# Allegro board WeChat_ZM_PART_20200601.brd (continued)
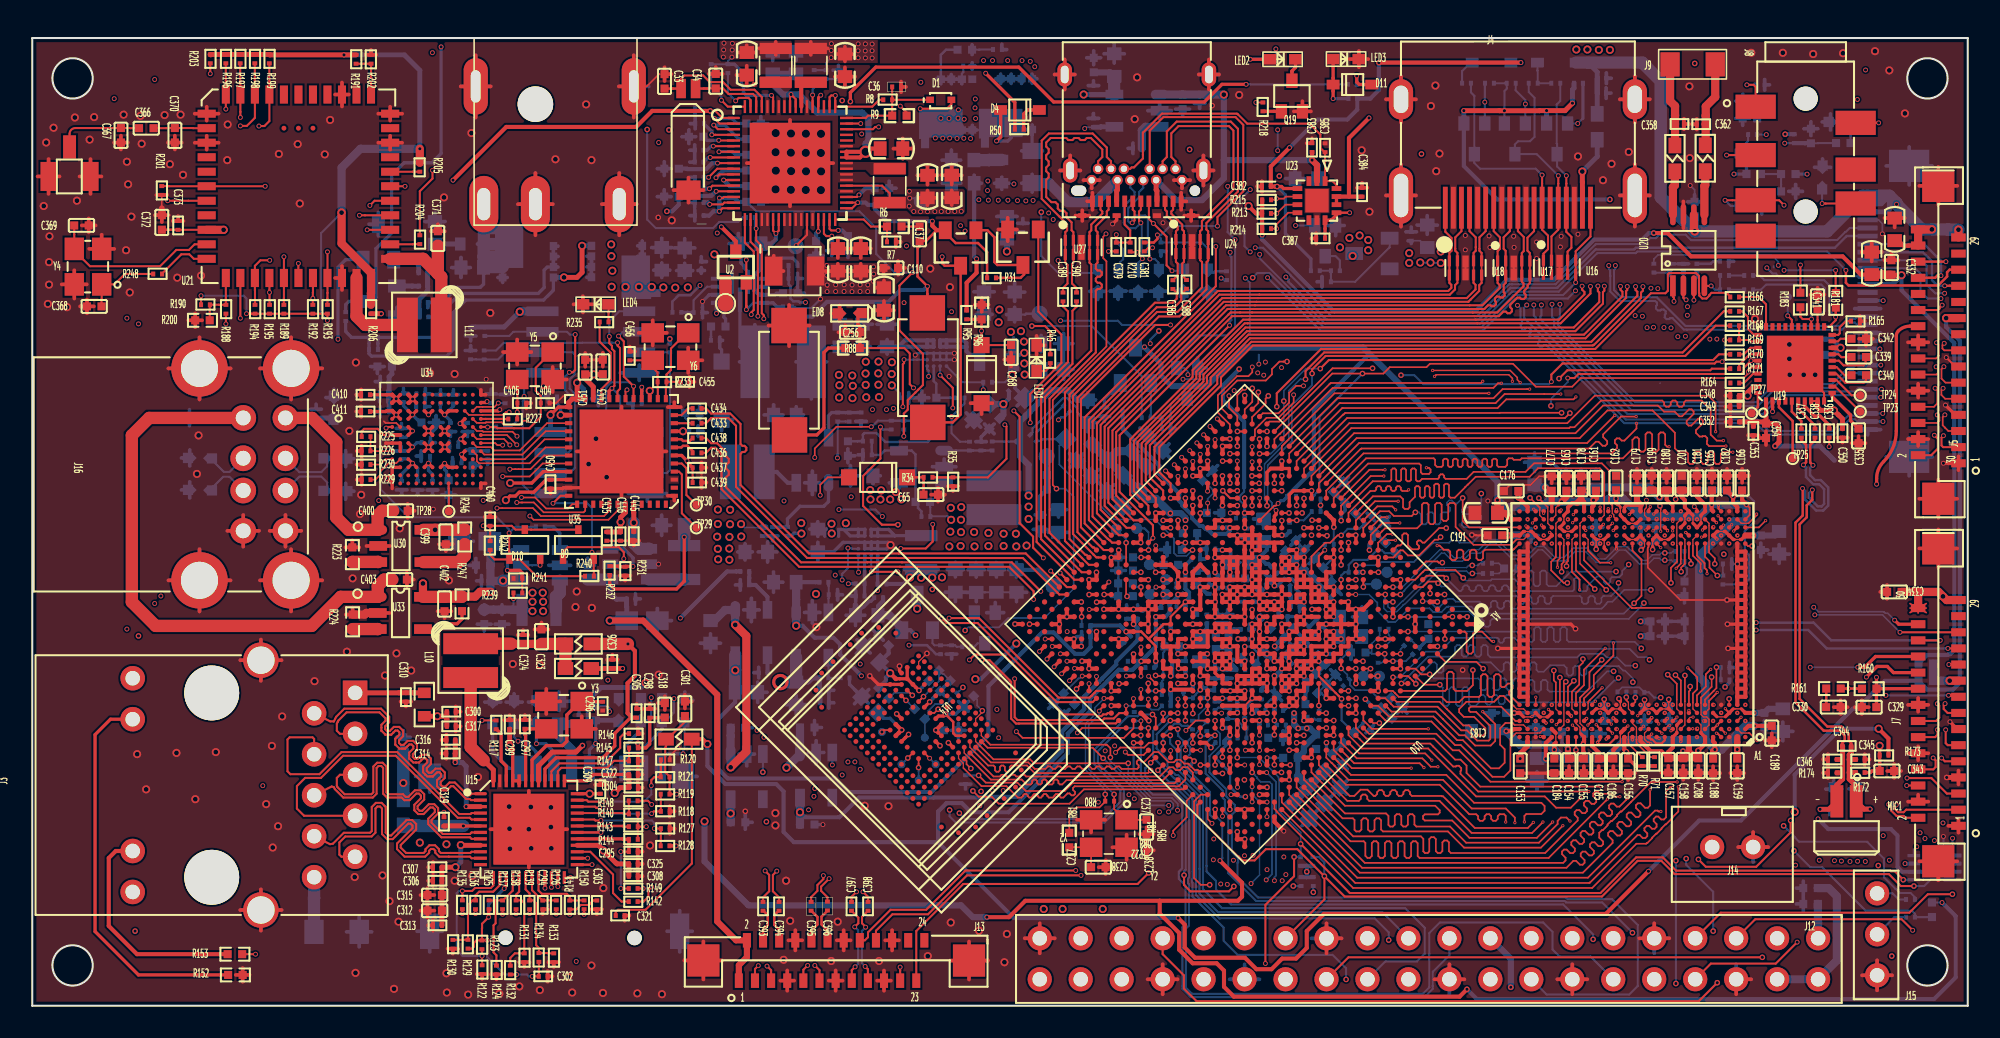
[diagram p0: board, top side]
## Placement (name value [footprint] x y rotation side) (continued)
J14  fan  [XH_2_54_2P]  104.15 9.84 0 top
J15  HEADER 3  [CON_2_54_3P]  114.38 1.89 90 top
J16  USB_HOST  [UB1112C-8FDH-4F]  13.08 32.95 270 top
L1  1uH  [IND_323015]  47.27 45.55 180 top
L2  1uH  [IND_252010]  53.16 50.85 90 top
L3  1uH  [IND_252010]  46.09 58.31 90 top
L4  1uH  [IND_252010]  48.27 58.31 90 top
L5  0.24uH  [IND_252012]  55.12 28.09 270 bottom
L6  2.2uH  [IND_303015]  44.34 33.1 90 bottom
L7  2.2uH  [IND_303015]  59.63 31.5 180 bottom
L8  0.24uH  [IND_252012]  59.79 40.36 0 bottom
L9  PCMB051H-2R2MS/6A  [IND_505040]  46.55 39.92 0 bottom
L10  2.2uH  [IND_303015]  27.18 21.4 180 top
L11  3.3uH  [IND_303012]  24.31 42.21 270 top
L12  4.7uH  [IND_IND2520]  40.42 27.48 90 bottom
L13  4.7uH  [IND_IND2520]  31.42 24.55 180 bottom
LED1  LED_GREEN  [LED0603]  62.27 39.35 90 top
LED2  LED_GREEN  [LED0603]  76.72 58.68 0 top
LED3  LED_RED  [LED0603]  80.65 58.69 0 top
LED4  LED_GREEN  [LED0603]  35.74 43.49 180 top
MIC1  MIC-4020  [MIC-SMT2-4020]  112.49 12.47 180 top
Q1  WPM2341-3/TR  [SOT_23]  57.56 46.98 180 top
Q2  S8050  [SOT_23]  61.42 47.03 180 top
Q3  RQ3E120AT  [HSMT8_3R30X3R30X0R90]  30.74 46.13 180 bottom
Q4  RQ3E120AT  [HSMT8_3R30X3R30X0R90]  36.25 46.14 0 bottom
Q5  MMBT3904  [SOT_23]  21.51 43.67 270 bottom
Q6  MMBT3904  [SOT_23]  21.46 47.36 180 bottom
Q7  RQ3E120AT  [HSMT8_3R30X3R30X0R90]  61.02 55.9 270 bottom
Q8  RQ3E120AT  [HSMT8_3R30X3R30X0R90]  57.31 55.87 270 bottom
Q9  WNM2016-3/TR  [SOT_23]  83.06 46.64 270 bottom
Q10  WNM2016-3/TR  [SOT_23]  54.86 24.39 180 bottom
Q11  WNM2016-3/TR  [SOT_23]  68.4 39.71 180 bottom
Q12  WNM2021-3/TR  [SOT_323]  80.16 47.43 0 bottom
Q13  WNM2021-3/TR  [SOT_323]  59.05 23.42 0 bottom
Q14  WNM2021-3/TR  [SOT_323]  71.6 38.59 0 bottom
Q15  WNM2021-3/TR  [SOT_323]  91.92 53.75 0 bottom
Q16  WNM2021-3/TR  [SOT_323]  89.41 53.75 0 bottom
Q17  WNM2021-3/TR  [SOT_323]  94.54 53.75 0 bottom
Q19  WNM2021-3/TR  [SOT_323]  78.1 56.4 0 top
R1  200K  [R0201]  49.98 57.45 90 bottom
R2  51K  [R0201]  48.48 57.46 90 bottom
R3  10K  [R0201]  44.24 48.87 0 bottom
R4  10K  [R0201]  42.09 57.83 90 bottom
R5  10K  [R0201]  43.13 57.83 90 bottom
R6  100R  [R0402]  53.45 48.31 0 top
R7  300K  [R0201]  53.54 47.36 180 top
R8  10K  [R0201]  53.31 56.17 180 top
R9  100R  [R0402]  53.76 55.19 180 top
R10  10K  [R0201]  51.05 26.17 0 bottom
R11  100K  [R0201]  50.65 36.23 90 bottom
R12  39K  [R0201]  46.82 29.13 90 bottom
R13  100R  [R0201]  52.41 26.15 0 bottom
R14  200K  [R0201]  51.38 36.78 270 bottom
R15  10K  [R0201]  48.81 26.26 0 bottom
R16  10K  [R0201]  48.8 20.33 0 bottom
R17  100K  [R0201]  49.38 25.48 0 bottom
R18  DNP  [R0201]  59.51 34.98 270 bottom
R19  100R  [R0402]  62.9 32.45 270 bottom
R20  82K  [R0201]  50.12 20.34 0 bottom
R21  62K  [R0201]  58.11 34.97 270 bottom
R22  82K  [R0201]  55.68 30.33 180 bottom
R23  20K  [R0201]  54.82 36.28 270 bottom
R24  180K  [R0201]  51.5 35.01 0 bottom
R25  DNP  [R0201]  53.26 36.28 270 bottom
R26  30K  [R0201]  54.04 36.28 270 bottom
R27  10K  [R0201]  55.63 35.71 90 bottom
R28  100K  [R0201]  52.05 34.15 180 bottom
R29  47K  [R0201]  43.9 26.93 0 bottom
R30  120K  [R0201]  44.45 26.09 180 bottom
R31  100K  [R0201]  59.2 45.13 0 top
R32  10K  [R0201]  57.8 37.69 180 bottom
R33  100R  [R0201]  58.96 38.66 0 bottom
R34  10K  [R0201]  55.26 32.76 0 top
R35  47K  [R0201]  57.08 32.21 90 top
R36  3.3R  [R0402]  42.54 42.11 180 bottom
R37  2R  [R0603]  27.26 47.23 180 bottom
R38  10K  [R0201]  24.56 42.71 180 bottom
R39  10K  [R0201]  21.43 40.68 180 bottom
R40  2K  [R0201]  23.98 43.61 0 bottom
R41  10K  [R0201]  39.69 42.99 0 bottom
R42  1K  [R0201]  19.43 42.46 90 bottom
R43  47K  [R0201]  24.52 44.62 180 bottom
R44  100K  [R0201]  47.44 45.9 180 bottom
R45  5.1K  [R0201]  63.12 40.39 270 top
R46  47K  [R0201]  23.96 45.44 0 bottom
R47  0R  [R0805]  61.99 52 90 bottom
R48  2R  [R0603]  60.11 51.72 90 bottom
R49  NC  [R0201]  57.73 58.26 0 bottom
R50  5.1K  [R0201]  61.47 54.34 180 top
R51  10K  [R0201]  59.57 59.29 0 bottom
R52  100K  [R0201]  79.27 45.57 0 bottom
R53  1K  [R0201]  80.52 45.57 0 bottom
R54  100K  [R0201]  56.31 21.8 90 bottom
R55  100K  [R0201]  68.78 36.45 0 bottom
R56  1K  [R0201]  57.66 22.26 0 bottom
R57  1K  [R0201]  70.03 36.45 0 bottom
R58  51R  [R0201]  90.5 27.44 180 bottom
R59  51R  [R0201]  90.5 26.8 180 bottom
R60  51R  [R0201]  83.44 21.82 270 bottom
R61  51R  [R0201]  83.54 23.35 0 bottom
R62  51R  [R0201]  102.44 27.54 180 bottom
R63  51R  [R0201]  102.44 28.17 180 bottom
R64  51R  [R0201]  85.98 22.18 225 bottom
R65  51R  [R0201]  85.45 22.71 225 bottom
R66  10K  [R0201]  104.68 20.21 0 bottom
R67  10K  [R0201]  104.68 20.97 0 bottom
R68  240R  [R0201]  99.4 19.44 0 bottom
R69  240R  [R0201]  98.84 19.46 180 bottom
R70  240R  [R0201]  99.82 15.42 270 top
R71  240R  [R0201]  100.58 15.41 270 top
R72  10K  [R0201]  104.82 26.68 270 bottom
R73  10K  [R0201]  104.82 27.39 0 bottom
R74  0.1R  [R0402]  83.95 18.8 45 bottom
R75  0.1R  [R0402]  84.23 28.38 315 bottom
R76  0.1R  [R0402]  81.71 30.84 315 bottom
R77  240R  [R0201]  79.78 18.27 270 bottom
R78  240R  [R0201]  80.14 28.61 0 bottom
R79  0.1R  [R0402]  81.62 16.62 45 bottom
R80  1M  [R0201]  67.07 12.68 180 top
R81  22R  [R0402]  64.3 10.27 90 top
R82  1K  [R0201]  67.85 24 90 bottom
R83  22R  [R0201]  57.34 19.37 225 bottom
R84  10K  [R0201]  71.81 14.92 315 bottom
R85  47K  [R0201]  57.86 13.75 90 bottom
R86  33R  [R0402]  34.94 18.15 270 bottom
R87  10K  [R0201]  65.06 23.58 0 bottom
R88  10R  [R0402]  50.86 40.78 180 top
R89  133R  [R0402]  64.3 18.38 225 bottom
R90  133R  [R0402]  63.63 19.06 225 bottom
R91  499R  [R0402]  67.79 27.8 180 bottom
R92  499R  [R0402]  67.78 26.18 180 bottom
R93  499R  [R0402]  67.79 26.99 180 bottom
R94  499R  [R0402]  67.78 25.39 180 bottom
R95  10K  [R0201]  57.93 43.11 270 top
R96  15K  [R0402]  58.86 43 270 top
R97  2.2K  [R0201]  72.82 17.02 90 bottom
R98  2.2K  [R0201]  71.93 17.12 90 bottom
R99  10K  [R0201]  70.03 18.59 0 bottom
R100  10K  [R0201]  73.33 18.32 90 bottom
R101  2.2K  [R0201]  79.32 31.43 0 bottom
R102  2.2K  [R0201]  79.32 30.64 0 bottom
R103  2.2K  [R0201]  79.4 9.23 270 bottom
R104  2.2K  [R0201]  78.64 9.23 270 bottom
R105  2.2K  [R0201]  78.66 7.42 90 bottom
R106  2.2K  [R0201]  79.43 7.42 90 bottom
R107  4.02K  [R0402]  71.78 29.29 0 bottom
R108  4.02K  [R0402]  72.87 32.87 45 bottom
R109  1K  [R0201]  63.93 37.22 315 bottom
R110  1K  [R0201]  62.26 35.01 135 bottom
R111  1.62K  [R0402]  70.82 28.28 180 bottom
R112  6.04K  [R0402]  77.09 16.62 0 bottom
R113  4.02K  [R0402]  73.28 30.56 0 bottom
R114  10K/NC  [R0402]  52.79 19.38 315 bottom
R115  22R  [R0402]  55.02 18.09 135 bottom
R116  10K  [R0402]  55.9 20.46 45 bottom
R117  33R  [R0201]  28.76 17.14 90 top
R118  DNP  [R0201]  39.52 12.05 180 top
R119  4.7K  [R0201]  38.96 13.12 0 top
R120  4.7K  [R0201]  39.52 15.25 180 top
R121  DNP  [R0201]  38.96 14.18 0 top
R122  4.7K  [R0201]  27.89 1.96 90 top
R123  DNP  [R0201]  27.88 3.5 90 top
R124  4.7K  [R0201]  28.78 1.94 90 top
R125  DNP  [R0201]  28.32 6.53 270 top
R126  33R  [R0201]  32.49 6.53 270 top
R127  4.7K  [R0201]  39.52 10.98 180 top
R128  DNP  [R0201]  38.96 9.92 0 top
R129  4.7K  [R0201]  27.01 4.09 270 top
R130  DNP  [R0201]  26.08 3.53 90 top
R131  DNP  [R0201]  30.51 2.7 90 top
R132  4.7K  [R0201]  29.64 2.49 270 top
R133  DNP  [R0201]  32.33 2.7 90 top
R134  4.7K  [R0201]  31.41 3.27 270 top
R135  0R  [R0201]  26.67 6.54 270 top
R136  0R  [R0201]  27.48 6.53 270 top
R137  0R  [R0201]  29.16 6.53 270 top
R138  0R  [R0201]  30 6.53 270 top
R139  0R  [R0201]  30.84 6.53 270 top
R140  4.7K  [R0201]  37.54 11.89 180 top
R141  4.7K  [R0201]  33.32 5.97 90 top
R142  0R  [R0201]  36.98 6.46 0 top
R143  4.7K  [R0201]  37.54 11.11 180 top
R144  100K  [R0201]  37.54 10.32 180 top
R145  0R  [R0201]  37.55 15.99 180 top
R146  2.49K  [R0201]  37 16.87 0 top
R147  DNP  [R0201]  37 15.18 0 top
R148  0R  [R0201]  36.98 12.71 0 top
R149  0R  [R0201]  36.98 7.27 0 top
R150  0R  [R0201]  34.21 6.53 270 top
R151  10R  [R0603]  24.31 18.67 90 top
R152  510R  [R0402]  12.59 1.91 180 top
R153  510R  [R0402]  12.57 3.2 180 top
R154  4.7K  [R0201]  91.42 57.2 0 bottom
R155  1.5K  [R0201]  93.33 57.2 180 bottom
R156  10K  [R0201]  90.62 57.2 180 bottom
R157  10K  [R0201]  88.65 57.2 0 bottom
R158  4.7K  [R0201]  95.59 57.2 0 bottom
R159  1.5K  [R0201]  94.18 57.2 0 bottom
R160  22R  [R0402]  113.89 19.66 0 top
R161  22R  [R0402]  111.68 19.66 180 top
R162  0  [R0402]  117.4 21.21 0 bottom
R163  0  [R0402]  117.4 20.15 0 bottom
R164  1K  [R0201]  105.83 38.61 180 top
R165  0R  [R0201]  112.76 42.45 0 top
R166  33R  [R0201]  105.27 43.94 0 top
R167  33R  [R0201]  105.27 43.06 0 top
R168  33R  [R0201]  105.27 42.17 0 top
R169  33R  [R0201]  105.27 41.28 0 top
R170  33R  [R0201]  105.27 40.39 0 top
R171  33R  [R0201]  105.27 39.5 0 top
R172  2.2K  [R0201]  113.06 14.46 0 top
R173  100R  [R0201]  114.54 15.53 0 top
R174  2.2K  [R0201]  111.88 14.44 180 top
R175  22R  [R0402]  108.88 51.57 180 bottom
R176  10K  [R0402]  106.5 56.09 0 bottom
R177  2.2K  [R0402]  106.73 51.57 180 bottom
R178  10K  [R0201]  106.93 54.01 180 bottom
R179  10K  [R0201]  109.25 54.03 270 bottom
R180  1K  [R0402]  112.28 53.49 0 bottom
R181  0R  [R0402]  111.82 43.74 90 top
R182  10K  [R0201]  100.54 46.01 270 bottom
R183  0R  [R0402]  109.62 43.76 90 top
R184  30K  [R0201]  105.18 46.16 180 bottom
R185  30K  [R0201]  106.69 45.28 180 bottom
R186  0R  [R0201]  106.86 57.1 0 bottom
R187  30K  [R0201]  106.69 44.39 180 bottom
R188  0/NC  [R0201]  12.01 42.91 90 top
R189  30K  [R0201]  15.6 42.91 90 top
R190  100K/NC  [R0201]  11.01 43.47 180 top
R191  100K/NC  [R0201]  20.07 58.41 90 top
R192  30K  [R0201]  17.4 42.91 90 top
R193  30K  [R0201]  18.3 42.91 90 top
R194  30K  [R0201]  13.81 42.91 90 top
R195  30K  [R0201]  14.71 42.91 90 top
R196  10K  [R0201]  12 58.43 90 top
R197  10K  [R0201]  12.89 58.43 90 top
R198  10K  [R0201]  13.8 58.43 90 top
R199  10K  [R0201]  14.7 58.43 90 top
R200  100K  [R0402]  10.55 42.5 0 top
R201  100K  [R0201]  8.03 50.27 90 top
R202  100K  [R0201]  21.01 58.96 270 top
R203  10K  [R0201]  11.04 58.43 90 top
R204  0  [R0201]  24.03 47.22 90 top
R205  NC/0  [R0201]  24.03 52.26 270 top
R206  0  [R0201]  21 42.91 90 top
R207  100K  [R0201]  74.05 44.99 90 bottom
R208  2M  [R0201]  67.21 47.33 270 bottom
R209  2M  [R0201]  69.98 47.33 270 bottom
R210  100K  [R0201]  68.07 46.77 90 top
R211  4.7K  [R0201]  68.79 53.16 180 bottom
R212  10K  [R0201]  65.79 54.47 90 bottom
R213  4.7K  [R0201]  76.25 49.12 0 top
R214  4.7K  [R0201]  76.25 48.18 0 top
R215  4.7K  [R0201]  76.26 49.97 0 top
R216  4.7K  [R0201]  77.1 58.59 180 bottom
R217  4.7K  [R0201]  81.57 57.13 0 bottom
R218  1K  [R0201]  76.3 56.01 270 top
R219  15K  [R0201]  82.15 56.24 180 bottom
R220  1K  [R0201]  116.72 6.59 180 bottom
R221  1K  [R0201]  116.72 5.49 180 bottom
R222  10K  [R0402]  117.78 5.95 270 bottom
R223  6.2K  [R0402]  19.85 27.97 90 top
R224  6.2K  [R0402]  19.86 23.81 90 top
R225  10K  [R0201]  20.42 35.29 0 top
R226  100  [R0201]  20.42 34.4 0 top
R227  10  [R0201]  29.51 36.38 0 top
R228  100  [R0201]  29.32 37.35 90 bottom
R229  100  [R0201]  20.42 32.62 0 top
R230  100  [R0201]  20.42 33.56 0 top
R231  10K/1%  [R0201]  36.76 26.67 90 top
R232  11.8K/1%  [R0201]  35.8 27.25 270 top
R233  1M  [R0201]  38.77 38.68 0 top
R234  680  [R0201]  37.78 37.35 180 bottom
R235  560  [R0201]  35.18 42.4 0 top
R236  10K  [R0201]  39.53 40.51 90 bottom
R237  10K  [R0201]  28.06 41.53 90 bottom
R238  100  [R0201]  31.78 29.7 180 bottom
R239  4.99K/1%  [R0201]  30.38 25.59 180 top
R240  10K/1%  [R0201]  34.82 26.63 180 top
R241  10K/1%  [R0201]  29.84 26.5 0 top
R242  10K/1%  [R0201]  28.39 28.81 270 top
R243  33R  [R0201]  28.02 40.62 270 bottom
R244  10K  [R0201]  27.18 40.08 90 bottom
R245  1M  [R0201]  29.31 35.88 180 bottom
R246  10K  [R0402]  26.81 29.07 270 top
R247  6.2K  [R0402]  26.64 24.92 270 top
R248  100R  [R0201]  8.05 45.37 180 top
SW1  RESET  [SMT2_6R00X3R50X4R20]  55.5 42.95 180 top
SW2  recovery  [SMT2_6R00X3R50X4R20]  46.95 35.39 0 top
TP1  TP_1.0  [TP_1R00]  55.16 49.88 180 bottom
TP2  TP_1.0  [TP_1R00]  47.33 47.09 180 bottom
TP3  TP_1.0  [TP_1R00]  42.98 43.54 90 top
TP4  TP_1.0  [TP_1R00]  63.32 26.01 180 bottom
TP5  TP_1.0  [TP_1R00]  62.89 34.07 180 bottom
TP6  TP_1.0  [TP_1R00]  62.46 42.91 0 bottom
TP7  TP_0.7  [TP_0R70]  83.52 20.43 180 bottom
TP8  TP_0.7  [TP_0R70]  84 26.88 180 bottom
TP9  TP_0.7  [TP_0R70]  82.52 20.43 180 bottom
TP10  TP_0.7  [TP_0R70]  83.34 26.14 180 bottom
TP11  TP_0.7  [TP_0R70]  69.27 27.36 180 bottom
TP12  TP_0.7  [TP_0R70]  70.28 26.42 180 bottom
TP13  TP_0.7  [TP_0R70]  68.48 29.6 180 bottom
TP14  TP_0.7  [TP_0R70]  67.21 29.55 180 bottom
TP15  TP_0.7  [TP_0R70]  69.29 25.51 180 bottom
TP16  TP_0.7  [TP_0R70]  70.28 25.51 180 bottom
TP17  TP_0.7  [TP_0R50]  56.01 14.97 225 bottom
TP18  TP_0.7  [TP_0R50]  54.95 13.97 180 bottom
TP19  TP_0.7  [TP_0R50]  53.89 14.97 225 bottom
TP20  TP_0.7  [TP_0R50]  52.68 16.97 135 bottom
TP21  TP_0.7  [TP_0R50]  55.34 16.62 135 bottom
TP22  TP_0.7  [TP_0R50]  69.11 9.64 180 top
TP23  TP_0.5  [TP_0R50]  113.33 36.84 0 top
TP24  TP_0.5  [TP_0R50]  113.33 37.85 0 top
TP25  TP_0.5  [TP_0R50]  109.15 33.93 0 top
TP26  TP_0.5  [TP_0R50]  108.85 43.94 180 bottom
TP27  TP_0.5  [TP_0R50]  106.6 36.73 0 top
TP28  TP_0.7  [TP_0R50]  25.83 30.65 0 top
TP29  TP_0.7  [TP_0R50]  41.17 29.63 0 top
TP30  TP_0.7  [TP_0R50]  41.17 31.05 0 top
U1  RK808-D  [QFN68_7R00X7R00X0R80_T]  46.98 52.25 0 top
U2  BAT54CW  [SOT_323]  43.62 45.8 0 top
U3  SYR837  [CSP20_1R96X1R56X0R66]  51.82 28.73 0 bottom
U4  SY8088AAC  [SOT_23_5]  49.37 32.42 90 bottom
U5  LP3983H  [SOT_23_5]  47.36 24.38 270 bottom
U6  SY8088AAC  [SOT_23_5]  56.54 34.42 180 bottom
U7  PT5108E23E-18  [SOT_23_5]  43.59 24.54 270 bottom
U8  SYR838PKC  [CSP20_1R96X1R56X0R66]  56.08 40.46 0 bottom
U9  NB680GD  [QFN12_2R00X3R00X1R00]  43.87 44.33 270 bottom
U10  RK3399  [BGA828_21R00X21R00X1R61]  75.17 23.66 225 top
U11  366b_z91m_ddp_qdp_mlpddr4_10  [FBGA366_15R00X15R00X0R60]  99.21 23.66 180 top
U12  RT9193-18GB  [SOT_23_5]  47.6 15.7 270 bottom
U13  RT9013-30GB  [SOT_23_5]  43.3 15.6 270 bottom
U14  INAND_EMMC_169  [BGA169_18R00X14R00X1R20]  54.95 17.09 225 top
U15  RTL8211E-VB-CG  [QFN48_6R00X6R00X1R00_T]  30.79 10.95 270 top
U16  TPD4E05U06  [SON10_2R50X1R00X0R50]  94.69 45.79 0 top
U17  TPD4E05U06  [SON10_2R50X1R00X0R50]  91.85 45.74 0 top
U18  TPD4E05U06  [SON10_2R50X1R00X0R50]  88.86 45.75 0 top
U19  ALC5651  [QFN40_5R00X5R00X1R00]  109.29 39.8 90 top
U20  PT1505EMSH  [MSOP8_3R00X3R00X1R10]  102.7 46.84 90 top
U21  MODULE_AP6256  [AP6256]  16.5 50.81 0 top
U22  SY6280AAC  [SOT_23_5]  69.9 56.5 180 bottom
U23  FUSB302MPX  [MLP14_2R50X2R50X0R80]  79.65 49.92 270 top
U24  TPD4E05U06  [SON10_2R50X1R00X0R50]  71.91 47.07 0 top
U27  TPD4E05U06  [SON10_2R50X1R00X0R50]  65.05 47.02 0 top
U29  TXS0102DCU  [DCU]  119.06 9.31 180 bottom
U30  SY6280AAC  [SOT_23_5]  21.45 29.51 0 top
U33  SY6280AAC  [SOT_23_5]  21.42 25.35 0 top
U34  SPR2801S  [FBGA_144_7X7X0P5MM]  25.06 35.14 180 top
U35  GL3224E  [QFN7X7]  36.53 34.37 180 top
U36  RT8096AHGE  [SOT23-6]  38.24 28.33 180 bottom
U37  MX25L1006E  [RZ7889]  35.05 30.54 180 bottom
U38  MX25L1006E  [RZ7889]  34.55 38.03 180 bottom
U39  RT8096AHGE  [SOT23-6]  32.71 28.26 180 bottom
Y1  32.768KHz  [CRY2_6R90X1R40X1R30]  40.69 53.42 270 top
Y2  24MHz  [CRY4_3R20X2R50X0R80]  66.75 10.68 180 top
Y3  25MHz  [CRY4_3R20X2R50X0R80]  32.97 18.02 180 top
Y4  37.4MHZ_20pF  [CRY4_3R20X2R50X0R80]  3.45 45.83 90 top
Y5  25MHz  [CRY4_3R20X2R50X0R80]  31.17 39.68 180 top
Y6  25MHz  [CRY4_3R20X2R50X0R80]  39.57 40.87 180 top

## Library data of the parts
C1-C287 C328 C331-C334 C347-C351 = CAP NP
C288-C327 C329 C330 C336-C338 C343-C346 C352-C392 C399-C432 C435 C437 C439-C461 = CAP NP_1
C335 C339-C342 = SMALL CAP
C393-C396 = CAP NP_1: signal model: CAP_NP_1_C0201_2100NF_2100nF
C397 C398 C433 C434 C436 C438 = CAP NP_1: signal model: CAP_NP_1_C0201_100NF_100nF
D1 D8 = DIODE: room: CHG
D2-D4 D7 D11 = DIODE
D5 D6 = DIODE ZENER1
D9 D10 = BAT54A/SOT_0
ED1-ED26 = DIODE BI_DIR TRIG
FB1-FB7 = BEAD
J1 = DCJACK_0
J2 = TFCARD_SOCKET
J3 = HR911130C_0
J4 = HDMI_A
J5-J7 = LCD_Hitachi_TX05D99VM1AAA_25
J8 = PHONEJACK_2
J9 = CON2_1
J10 = IPX
J11 = USB31_TYPE_C
J12 = HEADER 20X2
J13 = HEADER 13X2
J14 = HEADER 2
J15 = HEADER 3
J16 = CON4_0
L1-L13 = INDUCTORS OF FERRITE
LED1-LED4 = LED
MIC1 = MIC
Q1 = MOSFET P
Q2 Q5 Q6 = NPN
Q3 Q4 Q7 Q8 = MOSFET N 8L1_0
Q9-Q17 Q19 = MOSFET N
R1-R248 = RESISTOR
SW1 SW2 = KEY_2PIN
TP1-TP30 = TP
U1 = PMIC_RK808
U2 = BAT54CW
U3 = DCDC_SY827
U4 U6 = DCDC_SY8088
U5 = LDO_TT2102
U7 U12 U13 = LDO_PT5108
U8 = DCDC_SY837
U9 = DCDC_NB679
U10 = DSP_RK3399
U11 = DDR_LPDDR4_366B
U14 = INAND_EMMC_169
U15 = Ethernet_RTL8211
U16-U18 U24 U27 = ESD_TPD4E05U06: signal model: ESD_TPD4E05U06_SON10_2R50X1R00X_TPD4E05U06
U19 = ALC5651_3
U20 = Amplifier_PT1505
U21 = MODULE_AP6354
U22 U30 U33 = SWITCH_SY6280
U23 = USB_FUSB302
U29 = TXS0102DCU
U34 = SPR2801S
U35 = GL3224E
U36 U39 = RT8096AHGE
U37 U38 = FLASH_0
Y1 = CRYSTAL_2P_1G
Y2-Y6 = CRYSTAL_4P

## Footprints (pads in the part's own frame, mm; a bottom-side part is the same pattern mirrored in y, then rotated)
AP6256
  rect 1.125x0.5 smd: 1(-5.687,4.5) 2(-5.687,3.6) 3(-5.687,2.7) 4(-5.687,1.8) 5(-5.687,0.9) 6(-5.687,0) 7(-5.687,-0.9) 8(-5.687,-1.8) 9(-5.687,-2.7) 10(-5.687,-3.6) 11(-5.687,-4.5) 23(5.687,-4.5) 24(5.687,-3.6) 25(5.687,-2.7) 26(5.687,-1.8) 27(5.687,-0.9) 28(5.687,0) 29(5.687,0.9) 30(5.687,1.8) 31(5.687,2.7) 32(5.687,3.6) 33(5.687,4.5)
  rect 0.5x1.125 smd: 12(-4.5,-5.687) 13(-3.6,-5.687) 14(-2.7,-5.687) 15(-1.8,-5.687) 16(-0.9,-5.687) 17(0,-5.687) 18(0.9,-5.687) 19(1.8,-5.687) 20(2.7,-5.687) 21(3.6,-5.687) 22(4.5,-5.687) 34(4.5,5.687) 35(3.6,5.687) 36(2.7,5.687) 37(1.8,5.687) 38(0.9,5.687) 39(0,5.687) 40(-0.9,5.687) 41(-1.8,5.687) 42(-2.7,5.687) 43(-3.6,5.687) 44(-4.5,5.687)
  round 0.3 smd: 45(0.9,3.6) 46(0,3.6) 47(-0.9,3.6)
BGA169_18R00X14R00X1R20
  round 0.3 smd: A4(-1.75,6.75) A6(-0.75,6.75) A9(0.75,6.75) A11(1.75,6.75) AA1(-3.25,-3.25) AA2(-2.75,-3.25) AA3(-2.25,-3.25) AA4(-1.75,-3.25) AA5(-1.25,-3.25) AA6(-0.75,-3.25) AA7(-0.25,-3.25) AA8(0.25,-3.25) AA9(0.75,-3.25) AA10(1.25,-3.25) AA11(1.75,-3.25) AA12(2.25,-3.25) AA13(2.75,-3.25) AA14(3.25,-3.25) AE1(-3.25,-5.25) AE14(3.25,-5.25) AG2(-2.75,-6.25) AG13(2.75,-6.25) AH4(-1.75,-6.75) AH6(-0.75,-6.75) AH9(0.75,-6.75) AH11(1.75,-6.75) B2(-2.75,6.25) B13(2.75,6.25) D1(-3.25,5.25) D14(3.25,5.25) H1(-3.25,3.25) H2(-2.75,3.25) H3(-2.25,3.25) H4(-1.75,3.25) H5(-1.25,3.25) H6(-0.75,3.25) H7(-0.25,3.25) H8(0.25,3.25) H9(0.75,3.25) H10(1.25,3.25) H11(1.75,3.25) H12(2.25,3.25) H13(2.75,3.25) H14(3.25,3.25) J1(-3.25,2.75) J2(-2.75,2.75) J3(-2.25,2.75) J4(-1.75,2.75) J5(-1.25,2.75) J6(-0.75,2.75) J7(-0.25,2.75) J8(0.25,2.75) J9(0.75,2.75) J10(1.25,2.75) J11(1.75,2.75) J12(2.25,2.75) J13(2.75,2.75) J14(3.25,2.75) K1(-3.25,2.25) K2(-2.75,2.25) K3(-2.25,2.25) K4(-1.75,2.25) K5(-1.25,2.25) K6(-0.75,2.25) K7(-0.25,2.25) K8(0.25,2.25) K9(0.75,2.25) K10(1.25,2.25) K11(1.75,2.25) K12(2.25,2.25) K13(2.75,2.25) K14(3.25,2.25) L1(-3.25,1.75) L2(-2.75,1.75) L3(-2.25,1.75) L4(-1.75,1.75) L12(2.25,1.75) L13(2.75,1.75) L14(3.25,1.75) M1(-3.25,1.25) M2(-2.75,1.25) M3(-2.25,1.25) M5(-1.25,1.25) M6(-0.75,1.25) M7(-0.25,1.25) M8(0.25,1.25) M9(0.75,1.25) M10(1.25,1.25) M12(2.25,1.25) M13(2.75,1.25) M14(3.25,1.25) N1(-3.25,0.75) N2(-2.75,0.75) N3(-2.25,0.75) N5(-1.25,0.75) N10(1.25,0.75) N12(2.25,0.75) N13(2.75,0.75) N14(3.25,0.75) P1(-3.25,0.25) P2(-2.75,0.25) P3(-2.25,0.25) P5(-1.25,0.25) P10(1.25,0.25) P12(2.25,0.25) P13(2.75,0.25) P14(3.25,0.25) R1(-3.25,-0.25) R2(-2.75,-0.25) R3(-2.25,-0.25) R5(-1.25,-0.25) R10(1.25,-0.25) R12(2.25,-0.25) R13(2.75,-0.25) R14(3.25,-0.25) T1(-3.25,-0.75) T2(-2.75,-0.75) T3(-2.25,-0.75) T5(-1.25,-0.75) T10(1.25,-0.75) T12(2.25,-0.75) T13(2.75,-0.75) T14(3.25,-0.75) U1(-3.25,-1.25) U2(-2.75,-1.25) U3(-2.25,-1.25) U5(-1.25,-1.25) U6(-0.75,-1.25) U7(-0.25,-1.25) U8(0.25,-1.25) U9(0.75,-1.25) U10(1.25,-1.25) U12(2.25,-1.25) U13(2.75,-1.25) U14(3.25,-1.25) V1(-3.25,-1.75) V2(-2.75,-1.75) V3(-2.25,-1.75) V12(2.25,-1.75) V13(2.75,-1.75) V14(3.25,-1.75) W1(-3.25,-2.25) W2(-2.75,-2.25) W3(-2.25,-2.25) W4(-1.75,-2.25) W5(-1.25,-2.25) W6(-0.75,-2.25) W7(-0.25,-2.25) W8(0.25,-2.25) W9(0.75,-2.25) W10(1.25,-2.25) W11(1.75,-2.25) W12(2.25,-2.25) W13(2.75,-2.25) W14(3.25,-2.25) Y1(-3.25,-2.75) Y2(-2.75,-2.75) Y3(-2.25,-2.75) Y4(-1.75,-2.75) Y5(-1.25,-2.75) Y6(-0.75,-2.75) Y7(-0.25,-2.75) Y8(0.25,-2.75) Y9(0.75,-2.75) Y10(1.25,-2.75) Y11(1.75,-2.75) Y12(2.25,-2.75) Y13(2.75,-2.75) Y14(3.25,-2.75)
BGA828_21R00X21R00X1R61
  round 0.325 smd: A1(-9.75,9.75) A2(-9.1,9.75) A3(-8.45,9.75) A4(-7.8,9.75) A5(-7.15,9.75) A6(-6.5,9.75) A7(-5.85,9.75) A8(-5.2,9.75) A9(-4.55,9.75) A10(-3.9,9.75) A11(-3.25,9.75) A12(-2.6,9.75) A13(-1.95,9.75) A14(-1.3,9.75) A15(-0.65,9.75) A16(0,9.75) A17(0.65,9.75) A18(1.3,9.75) A19(1.95,9.75) A20(2.6,9.75) A21(3.25,9.75) A22(3.9,9.75) A23(4.55,9.75) A24(5.2,9.75) A25(5.85,9.75) A26(6.5,9.75) A27(7.15,9.75) A28(7.8,9.75) A29(8.45,9.75) A30(9.1,9.75) A31(9.75,9.75) AA1(-9.75,-3.25) AA2(-9.1,-3.25) AA3(-8.45,-3.25) AA4(-7.8,-3.25) AA5(-7.15,-3.25) AA6(-6.5,-3.25) AA7(-5.85,-3.25) AA8(-5.2,-3.25) AA9(-4.55,-3.25) AA10(-3.9,-3.25) AA11(-3.25,-3.25) AA12(-2.6,-3.25) AA13(-1.95,-3.25) AA14(-1.3,-3.25) AA15(-0.65,-3.25) AA16(0,-3.25) AA17(0.65,-3.25) AA18(1.3,-3.25) AA19(1.95,-3.25) AA20(2.6,-3.25) AA21(3.25,-3.25) AA22(3.9,-3.25) AA23(4.55,-3.25) AA24(5.2,-3.25) AA25(5.85,-3.25) AA26(6.5,-3.25) AA27(7.15,-3.25) AA28(7.8,-3.25) AA29(8.45,-3.25) AA30(9.1,-3.25) AA31(9.75,-3.25) AB1(-9.75,-3.9) AB2(-9.1,-3.9) AB8(-5.2,-3.9) AB9(-4.55,-3.9) AB10(-3.9,-3.9) AB11(-3.25,-3.9) AB12(-2.6,-3.9) AB13(-1.95,-3.9) AB14(-1.3,-3.9) AB15(-0.65,-3.9) AB16(0,-3.9) AB17(0.65,-3.9) AB18(1.3,-3.9) AB19(1.95,-3.9) AB20(2.6,-3.9) AB21(3.25,-3.9) AB22(3.9,-3.9) AB23(4.55,-3.9) AB24(5.2,-3.9) AB30(9.1,-3.9) AB31(9.75,-3.9) AC1(-9.75,-4.55) AC2(-9.1,-4.55) AC3(-8.45,-4.55) AC4(-7.8,-4.55) AC5(-7.15,-4.55) AC6(-6.5,-4.55) AC7(-5.85,-4.55) AC8(-5.2,-4.55) AC9(-4.55,-4.55) AC10(-3.9,-4.55) AC11(-3.25,-4.55) AC12(-2.6,-4.55) AC13(-1.95,-4.55) AC14(-1.3,-4.55) AC15(-0.65,-4.55) AC16(0,-4.55) AC17(0.65,-4.55) AC18(1.3,-4.55) AC19(1.95,-4.55) AC20(2.6,-4.55) AC21(3.25,-4.55) AC22(3.9,-4.55) AC23(4.55,-4.55) AC24(5.2,-4.55) AC25(5.85,-4.55) AC26(6.5,-4.55) AC27(7.15,-4.55) AC28(7.8,-4.55) AC29(8.45,-4.55) AC30(9.1,-4.55) AC31(9.75,-4.55) AD1(-9.75,-5.2) AD2(-9.1,-5.2) AD3(-8.45,-5.2) AD4(-7.8,-5.2) AD5(-7.15,-5.2) AD6(-6.5,-5.2) AD7(-5.85,-5.2) AD8(-5.2,-5.2) AD9(-4.55,-5.2) AD10(-3.9,-5.2) AD11(-3.25,-5.2) AD12(-2.6,-5.2) AD13(-1.95,-5.2) AD14(-1.3,-5.2) AD15(-0.65,-5.2) AD16(0,-5.2) AD17(0.65,-5.2) AD18(1.3,-5.2) AD19(1.95,-5.2) AD20(2.6,-5.2) AD21(3.25,-5.2) AD22(3.9,-5.2) AD23(4.55,-5.2) AD24(5.2,-5.2) AD25(5.85,-5.2) AD26(6.5,-5.2) AD27(7.15,-5.2) AD28(7.8,-5.2) AD29(8.45,-5.2) AD30(9.1,-5.2) AD31(9.75,-5.2) AE1(-9.75,-5.85) AE2(-9.1,-5.85) AE5(-7.15,-5.85) AE6(-6.5,-5.85) AE8(-5.2,-5.85) AE9(-4.55,-5.85) AE11(-3.25,-5.85) AE12(-2.6,-5.85) AE14(-1.3,-5.85) AE15(-0.65,-5.85) AE17(0.65,-5.85) AE18(1.3,-5.85) AE20(2.6,-5.85) AE21(3.25,-5.85) AE23(4.55,-5.85) AE24(5.2,-5.85) AE26(6.5,-5.85) AE27(7.15,-5.85) AE30(9.1,-5.85) AE31(9.75,-5.85) AF1(-9.75,-6.5) AF2(-9.1,-6.5) AF3(-8.45,-6.5) AF4(-7.8,-6.5) AF5(-7.15,-6.5) AF7(-5.85,-6.5) AF8(-5.2,-6.5) AF9(-4.55,-6.5) AF11(-3.25,-6.5) AF12(-2.6,-6.5) AF14(-1.3,-6.5) AF15(-0.65,-6.5) AF17(0.65,-6.5) AF18(1.3,-6.5) AF20(2.6,-6.5) AF21(3.25,-6.5) AF23(4.55,-6.5) AF24(5.2,-6.5) AF25(5.85,-6.5) AF27(7.15,-6.5) AF28(7.8,-6.5) AF29(8.45,-6.5) AF30(9.1,-6.5) AF31(9.75,-6.5) AG1(-9.75,-7.15) AG2(-9.1,-7.15) AG3(-8.45,-7.15) AG4(-7.8,-7.15) AG6(-6.5,-7.15) AG7(-5.85,-7.15) AG8(-5.2,-7.15) AG9(-4.55,-7.15) AG11(-3.25,-7.15) AG12(-2.6,-7.15) AG14(-1.3,-7.15) AG15(-0.65,-7.15) AG17(0.65,-7.15) AG18(1.3,-7.15) AG20(2.6,-7.15) AG21(3.25,-7.15) AG23(4.55,-7.15) AG24(5.2,-7.15) AG25(5.85,-7.15) AG26(6.5,-7.15) AG28(7.8,-7.15) AG29(8.45,-7.15) AG30(9.1,-7.15) AG31(9.75,-7.15) AH1(-9.75,-7.8) AH2(-9.1,-7.8) AH3(-8.45,-7.8) AH5(-7.15,-7.8) AH6(-6.5,-7.8) AH8(-5.2,-7.8) AH9(-4.55,-7.8) AH11(-3.25,-7.8) AH12(-2.6,-7.8) AH14(-1.3,-7.8) AH15(-0.65,-7.8) AH17(0.65,-7.8) AH18(1.3,-7.8) AH20(2.6,-7.8) AH21(3.25,-7.8) AH23(4.55,-7.8) AH24(5.2,-7.8) AH26(6.5,-7.8) AH27(7.15,-7.8) AH29(8.45,-7.8) AH30(9.1,-7.8) AH31(9.75,-7.8) AJ1(-9.75,-8.45) AJ2(-9.1,-8.45) AJ3(-8.45,-8.45) AJ4(-7.8,-8.45) AJ5(-7.15,-8.45) AJ6(-6.5,-8.45) AJ8(-5.2,-8.45) AJ9(-4.55,-8.45) AJ11(-3.25,-8.45) AJ12(-2.6,-8.45) AJ14(-1.3,-8.45) AJ15(-0.65,-8.45) AJ17(0.65,-8.45) AJ18(1.3,-8.45) AJ20(2.6,-8.45) AJ21(3.25,-8.45) AJ23(4.55,-8.45) AJ24(5.2,-8.45) AJ26(6.5,-8.45) AJ27(7.15,-8.45) AJ28(7.8,-8.45) AJ29(8.45,-8.45) AJ30(9.1,-8.45) AJ31(9.75,-8.45) AK1(-9.75,-9.1) AK2(-9.1,-9.1) AK3(-8.45,-9.1) AK4(-7.8,-9.1) AK5(-7.15,-9.1) AK6(-6.5,-9.1) AK7(-5.85,-9.1) AK8(-5.2,-9.1) AK9(-4.55,-9.1) AK10(-3.9,-9.1) AK11(-3.25,-9.1) AK12(-2.6,-9.1) AK13(-1.95,-9.1) AK14(-1.3,-9.1) AK15(-0.65,-9.1) AK16(0,-9.1) AK17(0.65,-9.1) AK18(1.3,-9.1) AK19(1.95,-9.1) AK20(2.6,-9.1) AK21(3.25,-9.1) AK22(3.9,-9.1) AK23(4.55,-9.1) AK24(5.2,-9.1) AK25(5.85,-9.1) AK26(6.5,-9.1) AK27(7.15,-9.1) AK28(7.8,-9.1) AK29(8.45,-9.1) AK30(9.1,-9.1) AK31(9.75,-9.1) AL1(-9.75,-9.75) AL2(-9.1,-9.75) AL3(-8.45,-9.75) AL4(-7.8,-9.75) AL5(-7.15,-9.75) AL6(-6.5,-9.75) AL7(-5.85,-9.75) AL8(-5.2,-9.75) AL9(-4.55,-9.75) AL10(-3.9,-9.75) AL11(-3.25,-9.75) AL12(-2.6,-9.75) AL13(-1.95,-9.75) AL14(-1.3,-9.75) AL15(-0.65,-9.75) AL16(0,-9.75) AL17(0.65,-9.75) AL18(1.3,-9.75) AL19(1.95,-9.75) AL20(2.6,-9.75) AL21(3.25,-9.75) AL22(3.9,-9.75) AL23(4.55,-9.75) AL24(5.2,-9.75) AL25(5.85,-9.75) AL26(6.5,-9.75) AL27(7.15,-9.75) AL28(7.8,-9.75) AL29(8.45,-9.75) AL30(9.1,-9.75) AL31(9.75,-9.75) B1(-9.75,9.1) B2(-9.1,9.1) B3(-8.45,9.1) B4(-7.8,9.1) B5(-7.15,9.1) B6(-6.5,9.1) B7(-5.85,9.1) B8(-5.2,9.1) B9(-4.55,9.1) B10(-3.9,9.1) B11(-3.25,9.1) B12(-2.6,9.1) B13(-1.95,9.1) B14(-1.3,9.1) B15(-0.65,9.1) B16(0,9.1) B17(0.65,9.1) B18(1.3,9.1) B19(1.95,9.1) B20(2.6,9.1) B21(3.25,9.1) B22(3.9,9.1) B23(4.55,9.1) B24(5.2,9.1) B25(5.85,9.1) B26(6.5,9.1) B27(7.15,9.1) B28(7.8,9.1) B29(8.45,9.1) B30(9.1,9.1) B31(9.75,9.1) C1(-9.75,8.45) C2(-9.1,8.45) C3(-8.45,8.45) C4(-7.8,8.45) C5(-7.15,8.45) C6(-6.5,8.45) C8(-5.2,8.45) C9(-4.55,8.45) C11(-3.25,8.45) C12(-2.6,8.45) C14(-1.3,8.45) C15(-0.65,8.45) C17(0.65,8.45) C18(1.3,8.45) C20(2.6,8.45) C21(3.25,8.45) C23(4.55,8.45) C24(5.2,8.45) C26(6.5,8.45) C27(7.15,8.45) C28(7.8,8.45) C29(8.45,8.45) C30(9.1,8.45) C31(9.75,8.45) D1(-9.75,7.8) D2(-9.1,7.8) D3(-8.45,7.8) D5(-7.15,7.8) D6(-6.5,7.8) D8(-5.2,7.8) D9(-4.55,7.8) D11(-3.25,7.8) D12(-2.6,7.8) D14(-1.3,7.8) D15(-0.65,7.8) D17(0.65,7.8) D18(1.3,7.8) D20(2.6,7.8) D21(3.25,7.8) D23(4.55,7.8) D24(5.2,7.8) D26(6.5,7.8) D27(7.15,7.8) D29(8.45,7.8) D30(9.1,7.8) D31(9.75,7.8) E1(-9.75,7.15) E2(-9.1,7.15) E3(-8.45,7.15) E4(-7.8,7.15) E6(-6.5,7.15) E7(-5.85,7.15) E8(-5.2,7.15) E9(-4.55,7.15) E11(-3.25,7.15) E12(-2.6,7.15) E14(-1.3,7.15) E15(-0.65,7.15) E17(0.65,7.15) E18(1.3,7.15) E20(2.6,7.15) E21(3.25,7.15) E23(4.55,7.15) E24(5.2,7.15) E25(5.85,7.15) E26(6.5,7.15) E28(7.8,7.15) E29(8.45,7.15) E30(9.1,7.15) E31(9.75,7.15) F1(-9.75,6.5) F2(-9.1,6.5) F3(-8.45,6.5) F4(-7.8,6.5) F5(-7.15,6.5) F7(-5.85,6.5) F8(-5.2,6.5) F9(-4.55,6.5) F11(-3.25,6.5) F12(-2.6,6.5) F14(-1.3,6.5) F15(-0.65,6.5) F17(0.65,6.5) F18(1.3,6.5) F20(2.6,6.5) F21(3.25,6.5) F23(4.55,6.5) F24(5.2,6.5) F25(5.85,6.5) F27(7.15,6.5) F28(7.8,6.5) F29(8.45,6.5) F30(9.1,6.5) F31(9.75,6.5) G1(-9.75,5.85) G2(-9.1,5.85) G5(-7.15,5.85) G6(-6.5,5.85) G8(-5.2,5.85) G9(-4.55,5.85) G11(-3.25,5.85) G12(-2.6,5.85) G14(-1.3,5.85) G15(-0.65,5.85) G17(0.65,5.85) G18(1.3,5.85) G20(2.6,5.85) G21(3.25,5.85) G23(4.55,5.85) G24(5.2,5.85) G26(6.5,5.85) G27(7.15,5.85) G30(9.1,5.85) G31(9.75,5.85) H1(-9.75,5.2) H2(-9.1,5.2) H3(-8.45,5.2) H4(-7.8,5.2) H5(-7.15,5.2) H6(-6.5,5.2) H7(-5.85,5.2) H9(-4.55,5.2) H10(-3.9,5.2) H11(-3.25,5.2) H12(-2.6,5.2) H13(-1.95,5.2) H14(-1.3,5.2) H15(-0.65,5.2) H16(0,5.2) H17(0.65,5.2) H18(1.3,5.2) H19(1.95,5.2) H20(2.6,5.2) H21(3.25,5.2) H22(3.9,5.2) H23(4.55,5.2) H24(5.2,5.2) H25(5.85,5.2) H26(6.5,5.2) H27(7.15,5.2) H28(7.8,5.2) H29(8.45,5.2) H30(9.1,5.2) H31(9.75,5.2) J1(-9.75,4.55) J2(-9.1,4.55) J3(-8.45,4.55) J4(-7.8,4.55) J5(-7.15,4.55) J6(-6.5,4.55) J7(-5.85,4.55) J8(-5.2,4.55) J9(-4.55,4.55) J10(-3.9,4.55) J11(-3.25,4.55) J12(-2.6,4.55) J13(-1.95,4.55) J14(-1.3,4.55) J15(-0.65,4.55) J16(0,4.55) J17(0.65,4.55) J18(1.3,4.55) J19(1.95,4.55) J20(2.6,4.55) J21(3.25,4.55) J22(3.9,4.55) J23(4.55,4.55) J24(5.2,4.55) J25(5.85,4.55) J26(6.5,4.55) J27(7.15,4.55) J28(7.8,4.55) J29(8.45,4.55) J30(9.1,4.55) J31(9.75,4.55) K1(-9.75,3.9) K2(-9.1,3.9) K8(-5.2,3.9) K9(-4.55,3.9) K10(-3.9,3.9) K11(-3.25,3.9) K12(-2.6,3.9) K13(-1.95,3.9) K14(-1.3,3.9) K15(-0.65,3.9) K16(0,3.9) K17(0.65,3.9) K18(1.3,3.9) K19(1.95,3.9) K20(2.6,3.9) K21(3.25,3.9) K22(3.9,3.9) K23(4.55,3.9) K24(5.2,3.9) K30(9.1,3.9) K31(9.75,3.9) L1(-9.75,3.25) L2(-9.1,3.25) L3(-8.45,3.25) L4(-7.8,3.25) L5(-7.15,3.25) L6(-6.5,3.25) L7(-5.85,3.25) L8(-5.2,3.25) L9(-4.55,3.25) L10(-3.9,3.25) L11(-3.25,3.25) L12(-2.6,3.25) L13(-1.95,3.25) L14(-1.3,3.25) L15(-0.65,3.25) L16(0,3.25) L17(0.65,3.25) L18(1.3,3.25) L19(1.95,3.25) L20(2.6,3.25) L21(3.25,3.25) L22(3.9,3.25) L23(4.55,3.25) L24(5.2,3.25) L25(5.85,3.25) L26(6.5,3.25) L27(7.15,3.25) L28(7.8,3.25) L29(8.45,3.25) L30(9.1,3.25) L31(9.75,3.25) M1(-9.75,2.6) M2(-9.1,2.6) M3(-8.45,2.6) M4(-7.8,2.6) M5(-7.15,2.6) M6(-6.5,2.6) M7(-5.85,2.6) M8(-5.2,2.6) M9(-4.55,2.6) M10(-3.9,2.6) M11(-3.25,2.6) M12(-2.6,2.6) M13(-1.95,2.6) M14(-1.3,2.6) M15(-0.65,2.6) M16(0,2.6) M17(0.65,2.6) M18(1.3,2.6) M19(1.95,2.6) M20(2.6,2.6) M21(3.25,2.6) M22(3.9,2.6) M23(4.55,2.6) M24(5.2,2.6) M25(5.85,2.6) M26(6.5,2.6) M27(7.15,2.6) M28(7.8,2.6) M29(8.45,2.6) M30(9.1,2.6) M31(9.75,2.6) N1(-9.75,1.95) N2(-9.1,1.95) N8(-5.2,1.95) N9(-4.55,1.95) N10(-3.9,1.95) N11(-3.25,1.95) N12(-2.6,1.95) N13(-1.95,1.95) N14(-1.3,1.95) N15(-0.65,1.95) N16(0,1.95) N17(0.65,1.95) N18(1.3,1.95) N19(1.95,1.95) N20(2.6,1.95) N21(3.25,1.95) N22(3.9,1.95) N23(4.55,1.95) N24(5.2,1.95) N30(9.1,1.95) N31(9.75,1.95) P1(-9.75,1.3) P2(-9.1,1.3) P3(-8.45,1.3) P4(-7.8,1.3) P5(-7.15,1.3) P6(-6.5,1.3) P7(-5.85,1.3) P8(-5.2,1.3) P9(-4.55,1.3) P10(-3.9,1.3) P11(-3.25,1.3) P12(-2.6,1.3) P13(-1.95,1.3) P14(-1.3,1.3) P15(-0.65,1.3) P16(0,1.3) P17(0.65,1.3) P18(1.3,1.3) P19(1.95,1.3) P20(2.6,1.3) P21(3.25,1.3) P22(3.9,1.3) P23(4.55,1.3) P24(5.2,1.3) P25(5.85,1.3) P26(6.5,1.3) P27(7.15,1.3) P28(7.8,1.3) P29(8.45,1.3) P30(9.1,1.3) P31(9.75,1.3) R1(-9.75,0.65) R2(-9.1,0.65) R3(-8.45,0.65) R4(-7.8,0.65) R5(-7.15,0.65) R6(-6.5,0.65) R7(-5.85,0.65) R8(-5.2,0.65) R9(-4.55,0.65) R10(-3.9,0.65) R11(-3.25,0.65) R12(-2.6,0.65) R13(-1.95,0.65) R14(-1.3,0.65) R15(-0.65,0.65) R16(0,0.65) R17(0.65,0.65) R18(1.3,0.65) R19(1.95,0.65) R20(2.6,0.65) R21(3.25,0.65) R22(3.9,0.65) R23(4.55,0.65) R24(5.2,0.65) R25(5.85,0.65) R26(6.5,0.65) R27(7.15,0.65) R28(7.8,0.65) R29(8.45,0.65) R30(9.1,0.65) R31(9.75,0.65) T1(-9.75,0) T2(-9.1,0) T8(-5.2,0) T9(-4.55,0) T10(-3.9,0) T11(-3.25,0) T12(-2.6,0) T13(-1.95,0) T14(-1.3,0) T15(-0.65,0) T16(0,0) T17(0.65,0) T18(1.3,0) T19(1.95,0) T20(2.6,0) T21(3.25,0) T22(3.9,0) T23(4.55,0) T24(5.2,0) T30(9.1,0) T31(9.75,0) U1(-9.75,-0.65) U2(-9.1,-0.65) U3(-8.45,-0.65) U4(-7.8,-0.65) U5(-7.15,-0.65) U6(-6.5,-0.65) U7(-5.85,-0.65) U8(-5.2,-0.65) U9(-4.55,-0.65) U10(-3.9,-0.65) U11(-3.25,-0.65) U12(-2.6,-0.65) U13(-1.95,-0.65) U14(-1.3,-0.65) U15(-0.65,-0.65) U16(0,-0.65) U17(0.65,-0.65) U18(1.3,-0.65) U19(1.95,-0.65) U20(2.6,-0.65) U21(3.25,-0.65) U22(3.9,-0.65) U23(4.55,-0.65) U24(5.2,-0.65) U25(5.85,-0.65) U26(6.5,-0.65) U27(7.15,-0.65) U28(7.8,-0.65) U29(8.45,-0.65) U30(9.1,-0.65) U31(9.75,-0.65) V1(-9.75,-1.3) V2(-9.1,-1.3) V3(-8.45,-1.3) V4(-7.8,-1.3) V5(-7.15,-1.3) V6(-6.5,-1.3) V7(-5.85,-1.3) V8(-5.2,-1.3) V9(-4.55,-1.3) V10(-3.9,-1.3) V11(-3.25,-1.3) V12(-2.6,-1.3) V13(-1.95,-1.3) V14(-1.3,-1.3) V15(-0.65,-1.3) V16(0,-1.3) V17(0.65,-1.3) V18(1.3,-1.3) V19(1.95,-1.3) V20(2.6,-1.3) V21(3.25,-1.3) V22(3.9,-1.3) V23(4.55,-1.3) V24(5.2,-1.3) V25(5.85,-1.3) V26(6.5,-1.3) V27(7.15,-1.3) V28(7.8,-1.3) V29(8.45,-1.3) V30(9.1,-1.3) V31(9.75,-1.3) W1(-9.75,-1.95) W2(-9.1,-1.95) W8(-5.2,-1.95) W9(-4.55,-1.95) W10(-3.9,-1.95) W11(-3.25,-1.95) W12(-2.6,-1.95) W13(-1.95,-1.95) W14(-1.3,-1.95) W15(-0.65,-1.95) W16(0,-1.95) W17(0.65,-1.95) W18(1.3,-1.95) W19(1.95,-1.95) W20(2.6,-1.95) W21(3.25,-1.95) W22(3.9,-1.95) W23(4.55,-1.95) W24(5.2,-1.95) W30(9.1,-1.95) W31(9.75,-1.95) Y1(-9.75,-2.6) Y2(-9.1,-2.6) Y3(-8.45,-2.6) Y4(-7.8,-2.6) Y5(-7.15,-2.6) Y6(-6.5,-2.6) Y7(-5.85,-2.6) Y8(-5.2,-2.6) Y9(-4.55,-2.6) Y10(-3.9,-2.6) Y11(-3.25,-2.6) Y12(-2.6,-2.6) Y13(-1.95,-2.6) Y14(-1.3,-2.6) Y15(-0.65,-2.6) Y16(0,-2.6) Y17(0.65,-2.6) Y18(1.3,-2.6) Y19(1.95,-2.6) Y20(2.6,-2.6) Y21(3.25,-2.6) Y22(3.9,-2.6) Y23(4.55,-2.6) Y24(5.2,-2.6) Y25(5.85,-2.6) Y26(6.5,-2.6) Y27(7.15,-2.6) Y28(7.8,-2.6) Y29(8.45,-2.6) Y30(9.1,-2.6) Y31(9.75,-2.6)
